# Altium PCB Minion.PcbDoc (part 7 of 10) (continued)
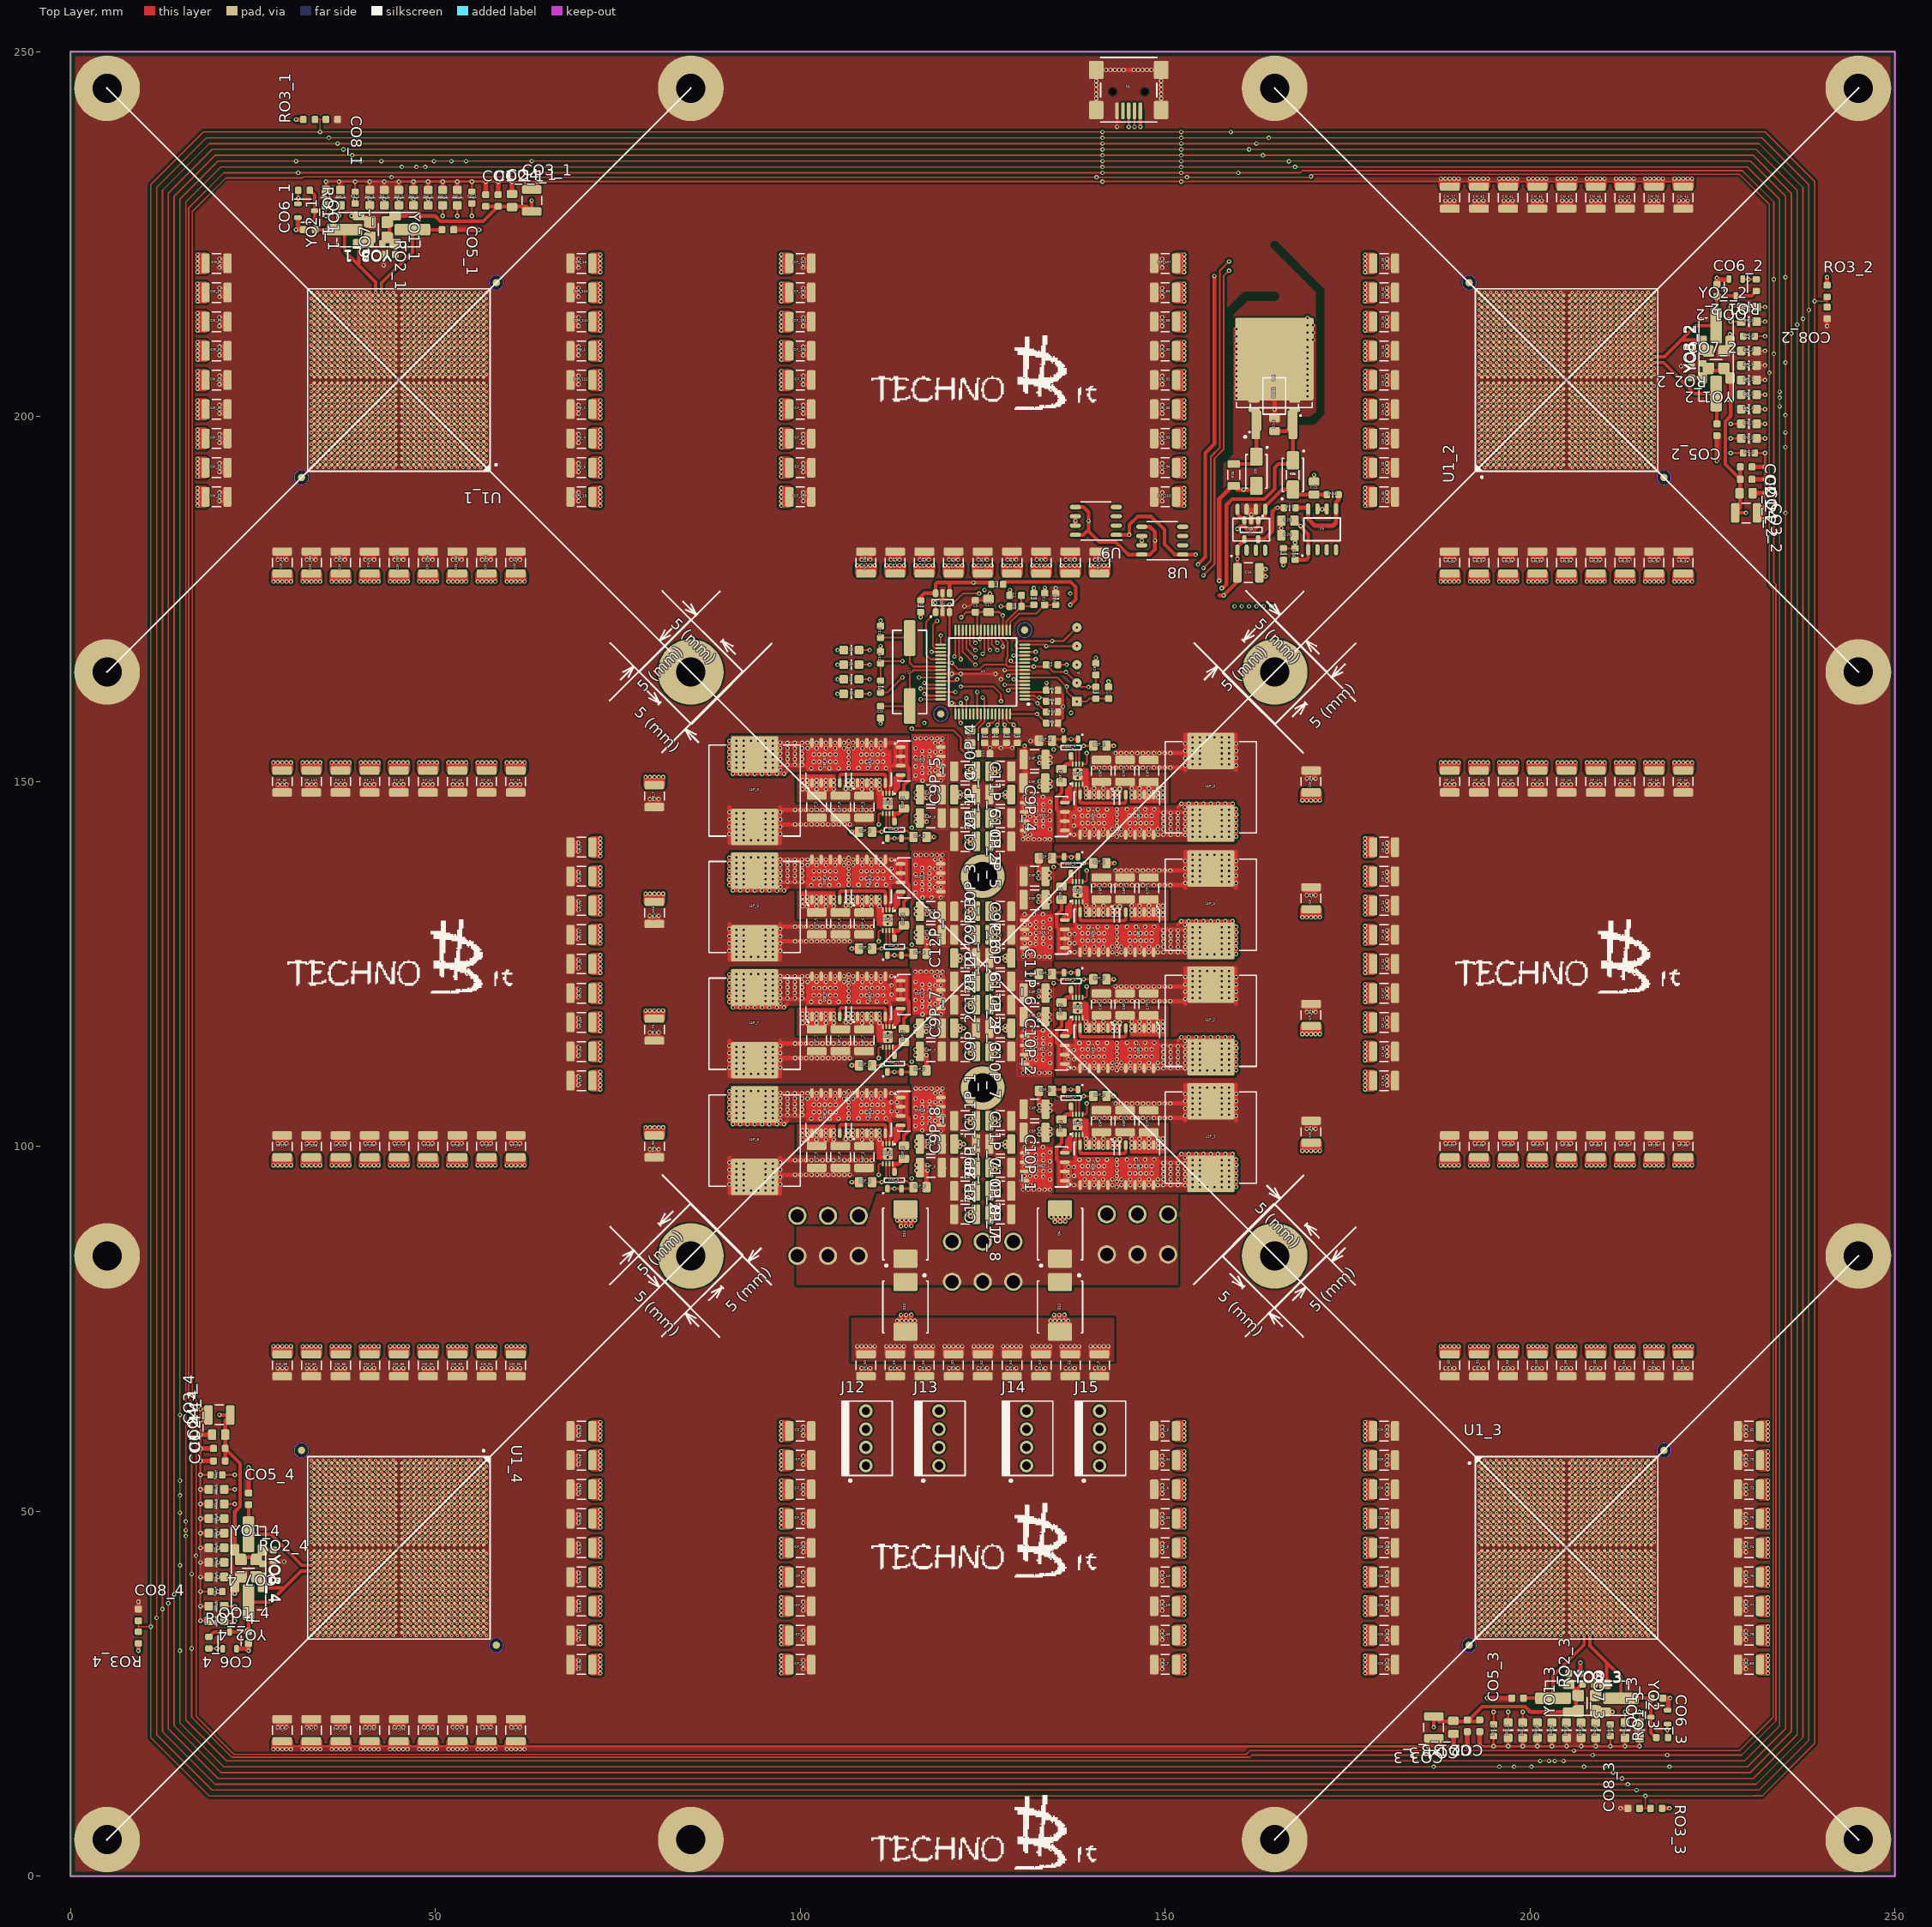
[diagram p0: Top Layer view]
## Nets (pads, with @x,y where several pads share a name; then routed paths per layer and width w, separated by ;. In a path a pad name is that pad's centre, name@x,y a point inside that pad or via, vN(x,y) a via of type N, cw(c..) or ccw(c..) an arc to the next point about the centre after c; other vN are vias at no path point) (continued)
; CF_103.2@109.6,178.5 v1(109.6,179.6) ; CF_30.2@110.2,71.5 v1(110.2,72.6) ; CF_103.2@110.2,178.5 v1(110.2,179.6) ; v1@110.843,101.345 110.85,101.338 v1@110.85,101.175 ; v1@110.843,117.345 110.85,117.338 v1@110.85,117.175 ; v1@110.843,133.345 110.85,133.338 v1@110.85,133.175 ; v1@110.843,149.345 110.85,149.338 v1@110.85,149.175 ; CF_59.2@111.8,71.5 v1(111.8,72.6) ; CF_87.2@111.8,178.5 v1(111.8,179.6) ; CF_59.2@112.4,71.5 v1(112.4,72.6) ; CF_87.2@112.4,178.5 v1(112.4,179.6) ; CF_59.2@113,71.5 v1(113,72.6) ; CF_87.2@113,178.5 v1(113,179.6) ; D10.2@113.3,75 v1(113.3,76.1) ; v1(113.3,89.9) D11.2@113.3,91 ; CF_59.2@113.6,71.5 v1(113.6,72.6) ; CF_87.2@113.6,178.5 v1(113.6,179.6) ; v1@113.8,76.1 v1(113.8,76.9) ; v1(113.8,89.075) v1@113.8,89.875 ; D10.2@113.9,75 v1(113.9,76.1) ; v1(113.9,89.9) D11.2@113.9,91 ; CF_59.2@114.2,71.5 v1(114.2,72.6) ; CF_87.2@114.2,178.5 v1(114.2,179.6) ; D10.2@114.5,75 v1(114.5,76.1) v1(114.5,76.9) ; v1(114.5,89.1) v1(114.5,89.9) D11.2@114.5,91 ; D10.2@115.1,75 v1(115.1,76.1) ; v1(115.1,89.9) D11.2@115.1,91 ; v1@115.2,76.125 v1(115.2,76.925) ; v1(115.2,89.1) v1@115.2,89.9 ; D10.2@115.7,75 v1(115.7,76.1) ; v1(115.7,89.9) D11.2@115.7,91 ; v1(115.775,112.5) v1(117.275,112.5) 117.3,112.475 C1P_7.1@117.3,110.4 ; v1(115.775,113.25) v1(117.275,113.25) ; v1(115.775,115.75) v1(117.275,115.75) ; v1(115.775,116.5) v1(117.275,116.5) ; CF_60.2@115.8,71.5 v1(115.8,72.6) ; CF_86.2@115.8,178.5 v1(115.8,179.6) ; v1(115.825,144.5) v1(117.325,144.5) ; v1(115.825,145.25) v1(117.325,145.25) ; v1(115.825,147.75) v1(117.325,147.75) ; v1(115.825,148.5) v1(117.325,148.5) ; v1(115.85,128.6) v1(117.35,128.6) 117.3,128.55 C1P_6.1@117.3,126.4 ; v1(115.85,129.35) v1(117.35,129.35) ; v1(115.85,131.85) v1(117.35,131.85) ; v1(115.85,132.6) v1(117.35,132.6) ; v1(115.925,96.7) v1(117.425,96.7) 117.3,96.575 C1P_8.1@117.3,94.4 ; v1(115.925,97.45) v1(117.425,97.45) ; v1(115.925,99.95) v1(117.425,99.95) ; v1(115.925,100.7) v1(117.425,100.7) ; CF_60.2@116.4,71.5 v1(116.4,72.6) ; CF_86.2@116.4,178.5 v1(116.4,179.6) ; CF_60.2@117,71.5 v1(117,72.6) ; CF_86.2@117,178.5 v1(117,179.6) ; C1P_5.1@117.325,142.4 v1(118.325,142.4) ; CF_60.2@117.6,71.5 v1(117.6,72.6) ; CF_86.2@117.6,178.5 v1(117.6,179.6) ; CF_60.2@118.2,71.5 v1(118.2,72.6) ; CF_86.2@118.2,178.5 v1(118.2,179.6) ; CF_61.2@119.8,71.5 v1(119.8,72.6) ; CF_85.2@119.8,178.5 v1(119.8,179.6) ; CF_61.2@120.4,71.5 v1(120.4,72.6) ; CF_85.2@120.4,178.5 v1(120.4,179.6) ; CF_61.2@121,71.5 v1(121,72.6) ; CF_85.2@121,178.5 v1(121,179.6) ; C9P_8.2@121.1,100.3 v1(122.4,100.3) ; C9P_8.2@121.1,101 121.5,100.6 v1(121.9,100.6) ; C9P_7.2@121.1,116.2 v1(122.4,116.2) ; C9P_7.2@121.1,116.9 121.5,116.5 v1(121.9,116.5) ; C12P_6.2@121.1,125.8 v1(122.4,125.8) ; C12P_6.2@121.1,126.5 121.5,126.1 v1(121.9,126.1) ; C9P_5.2@121.1,148.2 121.4,147.9 v1(121.9,147.9) ; C9P_5.2@121.1,148.9 121.5,148.5 v1(121.9,148.5) ; C9P_8.2@121.125,99.6 121.525,100 v1(121.9,100) ; C9P_7.2@121.125,115.5 121.525,115.9 v1(121.9,115.9) ; C12P_6.2@121.125,125.1 121.525,125.5 v1(121.9,125.5) ; C9P_5.2@121.125,147.5 121.825,148.2 v1(122.4,148.2) ; CF_61.2@121.6,71.5 v1(121.6,72.6) ; CF_85.2@121.6,178.5 v1(121.6,179.6) ; CF_61.2@122.2,71.5 v1(122.2,72.6) ; CF_85.2@122.2,178.5 v1(122.2,179.6) ; v1(122.8,90.701) C11P_8.2@124.1,90.701 ; v1(122.8,93.9) C12P_7.2@124.1,93.9 ; v1(122.8,97.1) C10P_8.2@124.1,97.1 ; v1(122.8,103.5) C11P_7.2@124.1,103.501 ; v1(122.8,113) C10P_7.2@124.1,113 ; v1(122.8,119.4) C12P_3.2@124.1,119.399 ; v1(122.8,122.6) 124.099,122.6 C11P_3.2@124.1,122.601 ; v1(122.8,129) C10P_6.2@124.1,129 ; v1(122.8,132.2) C9P_6.2@124.1,132.2 ; v1(122.8,141.8) 123.9,141.8 124,141.9 C12P_5.2@124.1,141.8 ; v1(122.8,145) C10P_5.2@124.1,145 ; v1(122.8,151.4) C11P_5.2@124.1,151.4 ; v1(123.3,90.401) 123.7,90.401 C11P_8.2@124.1,90.001 ; v1(123.3,91.001) C11P_8.2@123.675,91.001 ; v1(123.3,93.6) 123.7,93.6 C12P_7.2@124.1,93.2 ; v1(123.3,94.2) 123.675,94.2 C12P_7.2@124.075,94.6 ; v1(123.3,96.8) 123.701,96.8 C10P_8.2@124.1,96.401 ; v1(123.3,97.4) 123.674,97.4 C10P_8.2@124.075,97.801 ; v1(123.3,103.2) 123.7,103.2 C11P_7.2@124.1,102.8 ; v1(123.3,103.8) 123.675,103.8 C11P_7.2@124.075,104.2 ; v1(123.3,112.7) 123.7,112.7 C10P_7.2@124.1,112.3 ; v1(123.3,113.3) 123.675,113.3 C10P_7.2@124.075,113.7 ; v1(123.3,119.1) 123.699,119.1 C12P_3.2@124.1,118.699 ; v1(123.3,119.7) 123.676,119.7 C12P_3.2@124.075,120.099 ; v1(123.3,122.3) 123.701,122.3 C11P_3.2@124.1,121.901 ; v1(123.3,122.9) 123.674,122.9 C11P_3.2@124.075,123.301 ; v1(123.3,128.7) 123.7,128.7 C10P_6.2@124.1,128.3 ; v1(123.3,129.3) 123.675,129.3 C10P_6.2@124.075,129.7 ; v1(123.3,131.9) 123.7,131.9 C9P_6.2@124.1,131.5 ; v1(123.3,132.5) 123.675,132.5 C9P_6.2@124.075,132.9 ; v1(123.3,141.5) 123.7,141.5 C12P_5.2@124.1,141.1 ; v1(123.3,142.1) 123.675,142.1 C12P_5.2@124.075,142.5 ; v1(123.3,144.7) 123.7,144.7 C10P_5.2@124.1,144.3 ; v1(123.3,145.3) 123.675,145.3 C10P_5.2@124.075,145.7 ; v1(123.3,151.1) 123.7,151.1 C11P_5.2@124.1,150.7 ; v1(123.3,151.7) 123.675,151.7 C11P_5.2@124.075,152.1 ; CF_62.2@123.8,71.5 v1(123.8,72.6) ; CF_84.2@123.8,178.5 v1(123.8,179.6) ; CF_62.2@124.4,71.5 v1(124.4,72.6) ; CF_84.2@124.4,178.5 v1(124.4,179.6) ; CF_62.2@125,71.5 v1(125,72.6) ; CF_84.2@125,178.5 v1(125,179.6) ; CF_62.2@125.6,71.5 v1(125.6,72.6) ; CF_84.2@125.6,178.5 v1(125.6,179.6) ; C12P_8.2@125.9,90.7 125.901,90.701 v1(127.2,90.701) ; C12P_1.2@125.9,93.899 C12P_1.2@125.9,93.899 v1(127.2,93.9) ; C12P_1.2@125.9,94.599 126.299,94.2 v1(126.7,94.2) ; C9P_1.2@125.9,97.801 126.301,97.4 v1(126.7,97.4) ; C11P_1.2@125.9,103.5 v1(127.2,103.5) ; C11P_1.2@125.9,104.2 126.3,103.8 v1(126.7,103.8) ; C9P_2.2@125.9,113 v1(127.2,113) ; C9P_2.2@125.9,113.7 126.3,113.3 v1(126.7,113.3) ; C12P_2.2@125.9,120.099 126.299,119.7 v1(126.7,119.7) ; C11P_2.2@125.9,122.6 v1(127.2,122.6) ; C11P_2.2@125.9,123.3 126.3,122.9 v1(126.7,122.9) ; C9P_3.2@125.9,129 v1(127.2,129) ; C9P_3.2@125.9,129.7 126.3,129.3 v1(126.7,129.3) ; C10P_3.2@125.9,132.2 v1(127.2,132.2) ; C10P_3.2@125.9,132.9 126.3,132.5 v1(126.7,132.5) ; C12P_4.2@125.9,141.8 v1(127.2,141.8) ; C12P_4.2@125.9,142.5 126.3,142.1 v1(126.7,142.1) ; C11P_4.2@125.9,145 v1(127.2,145) ; C11P_4.2@125.9,145.7 126.3,145.3 v1(126.7,145.3) ; C10P_4.2@125.9,151.4 v1(127.2,151.4) ; C10P_4.2@125.9,152.1 126.3,151.7 v1(126.7,151.7) ; C9P_1.2@125.9,97.1 v1(127.2,97.1) ; C12P_2.2@125.9,119.399 v1(127.2,119.4) ; C12P_8.2@125.925,90 126.326,90.401 v1(126.7,90.401) ; C12P_1.2@125.925,93.199 126.326,93.6 v1(126.7,93.6) ; C9P_1.2@125.925,96.401 126.324,96.8 v1(126.7,96.8) ; C11P_1.2@125.925,102.8 126.325,103.2 v1(126.7,103.2) ; C9P_2.2@125.925,112.3 126.325,112.7 v1(126.7,112.7) ; C12P_2.2@125.925,118.699 126.326,119.1 v1(126.7,119.1) ; C11P_2.2@125.925,121.9 126.325,122.3 v1(126.7,122.3) ; C9P_3.2@125.925,128.3 126.325,128.7 v1(126.7,128.7) ; C10P_3.2@125.925,131.5 126.325,131.9 v1(126.7,131.9) ; C12P_4.2@125.925,141.1 126.325,141.5 v1(126.7,141.5) ; C11P_4.2@125.925,144.3 126.325,144.7 v1(126.7,144.7) ; C10P_4.2@125.925,150.7 126.325,151.1 v1(126.7,151.1) ; CF_62.2@126.2,71.5 v1(126.2,72.6) ; CF_84.2@126.2,178.5 v1(126.2,179.6) ; C12P_8.2@126.299,91.001 v1(126.7,91.001) ; v1(127.6,100.3) C10P_1.2@128.9,100.3 ; v1(127.6,116.2) C10P_2.2@128.9,116.2 ; v1(127.6,125.8) C11P_6.2@128.9,125.8 ; v1(127.6,148.2) C9P_4.2@128.9,148.2 ; CF_63.2@127.8,71.5 v1(127.8,72.6) ; CF_83.2@127.8,178.5 v1(127.8,179.6) ; v1(128.1,100) 128.5,100 C10P_1.2@128.9,99.6 ; v1(128.1,100.6) 128.475,100.6 C10P_1.2@128.875,101 ; v1(128.1,115.9) 128.5,115.9 C10P_2.2@128.9,115.5 ; v1(128.1,116.5) 128.475,116.5 C10P_2.2@128.875,116.9 ; v1(128.1,125.5) 128.5,125.5 C11P_6.2@128.9,125.1 ; v1(128.1,126.1) 128.475,126.1 C11P_6.2@128.875,126.5 ; v1(128.1,147.9) 128.5,147.9 C9P_4.2@128.9,147.5 ; v1(128.1,148.5) 128.475,148.5 C9P_4.2@128.875,148.9 ; CF_63.2@128.4,71.5 v1(128.4,72.6) ; CF_83.2@128.4,178.5 v1(128.4,179.6) ; CF_63.2@129,71.5 v1(129,72.6) ; CF_83.2@129,178.5 v1(129,179.6) ; CF_63.2@129.6,71.5 v1(129.6,72.6) ; CF_83.2@129.6,178.5 v1(129.6,179.6) ; CF_63.2@130.2,71.5 v1(130.2,72.6) ; CF_83.2@130.2,178.5 v1(130.2,179.6) ; v1(131.55,155.55) C1P_4.1@132.55,155.55 ; v1(131.6,123.6) C1P_2.1@132.6,123.6 ; CF_64.2@131.8,71.5 v1(131.8,72.6) ; CF_82.2@131.8,178.5 v1(131.8,179.6) ; CF_64.2@132.4,71.5 v1(132.4,72.6) ; CF_82.2@132.4,178.5 v1(132.4,179.6) ; v1(132.65,133.5) v1(134.15,133.5) ; v1(132.65,134.25) v1(134.15,134.25) ; v1(132.65,136.75) v1(134.15,136.75) ; v1(132.675,117.3) v1(134.175,117.3) ; v1(132.675,118.05) v1(134.175,118.05) ; v1(132.675,120.55) v1(134.175,120.55) ; v1(132.675,121.3) C5P_2.2@134.175,121.3 ; C1P_1.1@132.7,107.6 132.7,105.725 v1(132.775,105.65) v1(134.275,105.65) ; C1P_3.1@132.7,139.5 132.7,137.55 v1(132.65,137.5) v1(134.15,137.5) ; v1(132.775,101.65) v1(134.275,101.65) ; v1(132.775,102.4) v1(134.275,102.4) ; v1(132.775,104.9) v1(134.275,104.9) ; v1(132.775,149.3) v1(134.275,149.3) ; v1(132.775,150.05) v1(134.275,150.05) ; v1(132.775,152.55) v1(134.275,152.55) ; v1(132.775,153.3) v1(134.275,153.3) ; CF_64.2@133,71.5 v1(133,72.6) ; CF_82.2@133,178.5 v1(133,179.6) ; CF_64.2@133.6,71.5 v1(133.6,72.6) ; CF_82.2@133.6,178.5 v1(133.6,179.6) ; CF_64.2@134.2,71.5 v1(134.2,72.6) ; CF_82.2@134.2,178.5 v1(134.2,179.6) ; D12.2@134.3,75 v1(134.3,76.1) ; v1(134.4,90.3) D6.2@134.4,91.4 ; v1@134.8,76.1 v1(134.8,76.9) ; D12.2@134.9,75 v1(134.9,76.1) ; v1(134.9,89.675) D6.2@134.9,90.475 ; v1(135,90.3) D6.2@135,91.4 ; D12.2@135.5,75 v1(135.5,76.1) v1(135.5,76.9) ; v1(135.6,89.7) D6.2@135.6,90.5 ; v1(135.6,90.3) D6.2@135.6,91.4 ; CF_66.2@135.8,71.5 v1(135.8,72.6) ; CF_81.2@135.8,178.5 v1(135.8,179.6) ; D12.2@136.1,75 v1(136.1,76.1) ; v1@136.2,76.125 v1(136.2,76.925) ; v1(136.2,90.3) D6.2@136.2,91.4 ; v1(136.3,89.7) D6.2@136.3,90.5 ; CF_66.2@136.4,71.5 v1(136.4,72.6) ; CF_81.2@136.4,178.5 v1(136.4,179.6) ; D12.2@136.7,75 v1(136.7,76.1) ; v1(136.8,90.3) D6.2@136.8,91.4 ; CF_66.2@137,71.5 v1(137,72.6) ; CF_81.2@137,178.5 v1(137,179.6) ; CF_66.2@137.6,71.5 v1(137.6,72.6) ; CF_81.2@137.6,178.5 v1(137.6,179.6) ; U9.7@137.7,185.065 U9.6@137.7,186.335 ; CF_66.2@138.2,71.5 v1(138.2,72.6) ; CF_81.2@138.2,178.5 v1(138.2,179.6) ; v1@139.15,100.825 139.15,100.662 v1@139.157,100.655 ; v1@139.15,116.825 139.15,116.662 v1@139.157,116.655 ; v1@139.15,132.725 139.15,132.562 v1@139.157,132.555 ; v1@139.15,148.825 139.15,148.662 v1@139.157,148.655 ; v1@139.157,99.95 143.75,99.95 ; v1@139.157,100.855 v1@143.75,100.855 ; v1@139.157,115.95 143.75,115.95 ; v1@139.157,116.855 v1@143.75,116.855 ; v1@139.157,131.85 143.75,131.85 ; v1@139.157,132.755 v1@143.75,132.755 ; v1@139.157,147.95 143.75,147.95 ; v1@139.157,148.855 v1@143.75,148.855 ; CF_5.2@139.8,71.5 v1(139.8,72.6) ; CF_105.2@139.8,178.5 v1(139.8,179.6) ; CF_5.2@140.4,71.5 v1(140.4,72.6) ; CF_105.2@140.4,178.5 v1(140.4,179.6) ; J2.6@140.55,242 J2.7@140.55,247.5 J2.8@149.45,247.5 J2.9@149.45,242 ; CF_5.2@141,71.5 v1(141,72.6) ; CF_105.2@141,178.5 v1(141,179.6) ; CF_5.2@141.6,71.5 v1(141.6,72.6) ; CF_105.2@141.6,178.5 v1(141.6,179.6) ; C2P_1.2@141.95,106.9 v1(142.95,106.9) ; C2P_2.2@141.95,122.9 v1(142.95,122.9) ; C2P_4.2@141.95,154.9 v1(142.95,154.9) ; C2P_3.2@142.05,138.8 v1(143.05,138.8) ; CF_5.2@142.2,71.5 v1(142.2,72.6) ; CF_105.2@142.2,178.5 v1(142.2,179.6) ; v1@145.395,101.025 145.395,100.862 145.402,100.855 v1@149.75,100.855 ; v1@145.395,117.025 145.395,116.862 145.402,116.855 v1@149.75,116.855 ; v1@145.395,132.925 145.395,132.762 145.402,132.755 v1@149.75,132.755 ; v1@145.395,149.025 145.395,148.862 145.402,148.855 v1@149.75,148.855 ; v1@145.402,99.95 v1@149.5,99.95 ; v1@145.402,115.95 v1@149.5,115.95 ; v1@145.402,131.85 v1@149.5,131.85 ; v1@145.402,147.95 v1@149.5,147.95 ; 145.5,99.35 149.75,99.35 ; 145.5,100.15 149.75,100.15 ; v1@145.5,101.15 v1@149.675,101.15 ; 145.5,115.35 149.75,115.35 ; 145.5,116.15 149.75,116.15 ; v1@145.5,117.15 v1@149.675,117.15 ; 145.5,131.25 149.75,131.25 ; 145.5,132.05 149.75,132.05 ; v1@145.5,133.05 v1@149.675,133.05 ; 145.5,147.35 149.75,147.35 ; 145.5,148.15 149.75,148.15 ; v1@145.5,149.15 v1@149.675,149.15 ; U8.7@146.8,182.365 U8.6@146.8,183.635 ; CF_7.2@151.5,27.8 v1(152.6,27.8) ; CF_7.2@151.5,28.4 v1(152.6,28.4) ; CF_7.2@151.5,29 v1(152.6,29) ; CF_7.2@151.5,29.6 v1(152.6,29.6) ; CF_7.2@151.5,30.2 v1(152.6,30.2) ; CF_43.2@151.5,31.8 v1(152.6,31.8) ; CF_43.2@151.5,32.4 v1(152.6,32.4) ; CF_43.2@151.5,33 v1(152.6,33) ; CF_43.2@151.5,33.6 v1(152.6,33.6) ; CF_43.2@151.5,34.2 v1(152.6,34.2) ; CF_19.2@151.5,35.8 v1(152.6,35.8) ; CF_19.2@151.5,36.4 v1(152.6,36.4) ; CF_19.2@151.5,37 v1(152.6,37) ; CF_19.2@151.5,37.6 v1(152.6,37.6) ; CF_19.2@151.5,38.2 v1(152.6,38.2) ; CF_10.2@151.5,39.8 v1(152.6,39.8) ; CF_10.2@151.5,40.4 v1(152.6,40.4) ; CF_10.2@151.5,41 v1(152.6,41) ; CF_10.2@151.5,41.6 v1(152.6,41.6) ; CF_10.2@151.5,42.2 v1(152.6,42.2) ; CF_9.2@151.5,43.8 v1(152.6,43.8) ; CF_9.2@151.5,44.4 v1(152.6,44.4) ; CF_9.2@151.5,45 v1(152.6,45) ; CF_9.2@151.5,45.6 v1(152.6,45.6) ; CF_9.2@151.5,46.2 v1(152.6,46.2) ; CF_33.2@151.5,47.8 v1(152.6,47.8) ; CF_33.2@151.5,48.4 v1(152.6,48.4) ; CF_33.2@151.5,49 v1(152.6,49) ; CF_33.2@151.5,49.6 v1(152.6,49.6) ; CF_33.2@151.5,50.2 v1(152.6,50.2) ; CF_8.2@151.5,51.8 v1(152.6,51.8) ; CF_8.2@151.5,52.4 v1(152.6,52.4) ; CF_8.2@151.5,53 v1(152.6,53) ; CF_8.2@151.5,53.6 v1(152.6,53.6) ; CF_8.2@151.5,54.2 v1(152.6,54.2) ; CF_34.2@151.5,55.8 v1(152.6,55.8) ; CF_34.2@151.5,56.4 v1(152.6,56.4) ; CF_34.2@151.5,57 v1(152.6,57) ; CF_34.2@151.5,57.6 v1(152.6,57.6) ; CF_34.2@151.5,58.2 v1(152.6,58.2) ; CF_6.2@151.5,59.8 v1(152.6,59.8) ; CF_6.2@151.5,60.4 v1(152.6,60.4) ; CF_6.2@151.5,61 v1(152.6,61) ; CF_6.2@151.5,61.6 v1(152.6,61.6) ; CF_6.2@151.5,62.2 v1(152.6,62.2) ; CF_110.2@151.5,187.8 v1(152.6,187.8) ; CF_110.2@151.5,188.4 v1(152.6,188.4) ; CF_110.2@151.5,189 v1(152.6,189) ; CF_110.2@151.5,189.6 v1(152.6,189.6) ; CF_110.2@151.5,190.2 v1(152.6,190.2) ; CF_94.2@151.5,191.8 v1(152.6,191.8) ; CF_94.2@151.5,192.4 v1(152.6,192.4) ; CF_94.2@151.5,193 v1(152.6,193) ; CF_94.2@151.5,193.6 v1(152.6,193.6) ; CF_94.2@151.5,194.2 v1(152.6,194.2) ; CF_93.2@151.5,195.8 v1(152.6,195.8) ; CF_93.2@151.5,196.4 v1(152.6,196.4) ; CF_93.2@151.5,197 v1(152.6,197) ; CF_93.2@151.5,197.6 v1(152.6,197.6) ; CF_93.2@151.5,198.2 v1(152.6,198.2) ; CF_92.2@151.5,199.8 v1(152.6,199.8) ; CF_92.2@151.5,200.4 v1(152.6,200.4) ; CF_92.2@151.5,201 v1(152.6,201) ; CF_92.2@151.5,201.6 v1(152.6,201.6) ; CF_92.2@151.5,202.2 v1(152.6,202.2) ; CF_91.2@151.5,203.8 v1(152.6,203.8) ; CF_91.2@151.5,204.4 v1(152.6,204.4) ; CF_91.2@151.5,205 v1(152.6,205) ; CF_91.2@151.5,205.6 v1(152.6,205.6) ; CF_91.2@151.5,206.2 v1(152.6,206.2) ; CF_90.2@151.5,207.8 v1(152.6,207.8) ; CF_90.2@151.5,208.4 v1(152.6,208.4) ; CF_90.2@151.5,209 v1(152.6,209) ; CF_90.2@151.5,209.6 v1(152.6,209.6) ; CF_90.2@151.5,210.2 v1(152.6,210.2) ; CF_88.2@151.5,211.8 v1(152.6,211.8) ; CF_88.2@151.5,212.4 v1(152.6,212.4) ; CF_88.2@151.5,213 v1(152.6,213) ; CF_88.2@151.5,213.6 v1(152.6,213.6) ; CF_88.2@151.5,214.2 v1(152.6,214.2) ; CF_89.2@151.5,215.8 v1(152.6,215.8) ; CF_89.2@151.5,216.4 v1(152.6,216.4) ; CF_89.2@151.5,217 v1(152.6,217) ; CF_89.2@151.5,217.6 v1(152.6,217.6) ; CF_89.2@151.5,218.2 v1(152.6,218.2) ; CF_107.2@151.5,219.8 v1(152.6,219.8) ; CF_107.2@151.5,220.4 v1(152.6,220.4) ; CF_107.2@151.5,221 v1(152.6,221) ; CF_107.2@151.5,221.6 v1(152.6,221.6) ; CF_107.2@151.5,222.2 v1(152.6,222.2) ; v1(159.76,202.5) v1(159.76,203.25) v1(159.76,204) v1(159.76,204.75) v1(159.76,205.5) v1(159.76,206.25) v1(159.76,207) v1(159.76,207.75) v1(159.76,208.5) v1(159.76,209.25) ; U7.7@161.17,187.2 161.805,187.2 ; U4.2@161.25,213 U4.2@165,213 ; U3.2@161.805,185.7 161.805,187.2 ; U7.6@162.44,187.2 161.805,187.2 ; v1(163.75,178.1) 163.4,178.1 C16.2@162.9,178.6 163.4,179.1 v1(163.75,179.1) ; U5.2@164.96,205.925 165,205.886 v1(165,201) C14.2@165,199.8 ; U4.2@164.96,207.875 165,207.915 U4.2@165,213 ; C26.2@165.675,183.725 C26.2@165.912,183.725 ; v1(166.2,179.65) R31.1@166.2,180.35 ; v1(168.8,99.4) CM_58.2@168.8,100.5 ; v1(168.8,115.4) CF_51.2@168.8,116.5 ; v1(168.8,131.4) CF_29.2@168.8,132.5 ; v1(168.8,147.4) CM_38.2@168.8,148.5 ; v1(169.4,99.4) CM_58.2@169.4,100.5 ; v1(169.4,115.4) CF_51.2@169.4,116.5 ; v1(169.4,131.4) CF_29.2@169.4,132.5 ; v1(169.4,147.4) CM_38.2@169.4,148.5 ; v1(169.5,202.75) v1(169.5,203.5) v1(169.5,204.25) v1(169.5,205) v1(169.5,205.75) v1(169.5,206.5) v1(169.5,207.25) v1(169.5,208) v1(169.5,208.75) v1(169.5,209.5) ; v1(169.5,210.5) v1(169.5,211.5) 168,213 U4.2@165,213 ; v1(170,99.4) CM_58.2@170,100.5 ; v1(170,115.4) CF_51.2@170,116.5 ; v1(170,131.4) CF_29.2@170,132.5 ; v1(170,147.4) CM_38.2@170,148.5 ; v1(170.6,99.4) CM_58.2@170.6,100.5 ; v1(170.6,115.4) CF_51.2@170.6,116.5 ; v1(170.6,131.4) CF_29.2@170.6,132.5 ; v1(170.6,147.4) CM_38.2@170.6,148.5 ; U6.7@170.865,187.35 U6.6@172.135,187.35 ; v1(171.2,99.4) CM_58.2@171.2,100.5 ; v1(171.2,115.4) CF_51.2@171.2,116.5 ; v1(171.2,131.4) CF_29.2@171.2,132.5 ; v1(171.2,147.4) CM_38.2@171.2,148.5 ; v1(177.4,27.8) CM_64.2@178.5,27.8 ; v1(177.4,28.4) CM_64.2@178.5,28.4 ; v1(177.4,29) CM_64.2@178.5,29 ; v1(177.4,29.6) CM_64.2@178.5,29.6 ; v1(177.4,30.2) CM_64.2@178.5,30.2 ; v1(177.4,31.8) CM_65.2@178.5,31.8 ; v1(177.4,32.4) CM_65.2@178.5,32.4 ; v1(177.4,33) CM_65.2@178.5,33 ; v1(177.4,33.6) CM_65.2@178.5,33.6 ; v1(177.4,34.2) CM_65.2@178.5,34.2 ; v1(177.4,35.8) CM_66.2@178.5,35.8 ; v1(177.4,36.4) CM_66.2@178.5,36.4 ; v1(177.4,37) CM_66.2@178.5,37 ; v1(177.4,37.6) CM_66.2@178.5,37.6 ; v1(177.4,38.2) CM_66.2@178.5,38.2 ; v1(177.4,39.8) CM_67.2@178.5,39.8 ; v1(177.4,40.4) CM_67.2@178.5,40.4 ; v1(177.4,41) CM_67.2@178.5,41 ; v1(177.4,41.6) CM_67.2@178.5,41.6 ; v1(177.4,42.2) CM_67.2@178.5,42.2 ; v1(177.4,43.8) CM_68.2@178.5,43.8 ; v1(177.4,44.4) CM_68.2@178.5,44.4 ; v1(177.4,45) CM_68.2@178.5,45 ; v1(177.4,45.6) CM_68.2@178.5,45.6 ; v1(177.4,46.2) CM_68.2@178.5,46.2 ; v1(177.4,47.8) CM_69.2@178.5,47.8 ; v1(177.4,48.4) CM_69.2@178.5,48.4 ; v1(177.4,49) CM_69.2@178.5,49 ; v1(177.4,49.6) CM_69.2@178.5,49.6 ; v1(177.4,50.2) CM_69.2@178.5,50.2 ; v1(177.4,51.8) CM_70.2@178.5,51.8 ; v1(177.4,52.4) CM_70.2@178.5,52.4 ; v1(177.4,53) CM_70.2@178.5,53 ; v1(177.4,53.6) CM_70.2@178.5,53.6 ; v1(177.4,54.2) CM_70.2@178.5,54.2 ; v1(177.4,55.8) CM_71.2@178.5,55.8 ; v1(177.4,56.4) CM_71.2@178.5,56.4 ; v1(177.4,57) CM_71.2@178.5,57 ; v1(177.4,57.6) CM_71.2@178.5,57.6 ; v1(177.4,58.2) CM_71.2@178.5,58.2 ; v1(177.4,59.8) CM_61.2@178.5,59.8 ; v1(177.4,60.4) CM_61.2@178.5,60.4 ; v1(177.4,61) CM_61.2@178.5,61 ; v1(177.4,61.6) CM_61.2@178.5,61.6 ; v1(177.4,62.2) CM_61.2@178.5,62.2 ; v1(177.4,107.8) CF_56.2@178.5,107.8 ; v1(177.4,108.4) CF_56.2@178.5,108.4 ; v1(177.4,109) CF_56.2@178.5,109 ; v1(177.4,109.6) CF_56.2@178.5,109.6 ; v1(177.4,110.2) CF_56.2@178.5,110.2 ; v1(177.4,111.8) CF_36.2@178.5,111.8 ; v1(177.4,112.4) CF_36.2@178.5,112.4 ; v1(177.4,113) CF_36.2@178.5,113 ; v1(177.4,113.6) CF_36.2@178.5,113.6 ; v1(177.4,114.2) CF_36.2@178.5,114.2 ; v1(177.4,115.8) CF_12.2@178.5,115.8 ; v1(177.4,116.4) CF_12.2@178.5,116.4 ; v1(177.4,117) CF_12.2@178.5,117 ; v1(177.4,117.6) CF_12.2@178.5,117.6 ; v1(177.4,118.2) CF_12.2@178.5,118.2 ; v1(177.4,119.8) CF_37.2@178.5,119.8 ; v1(177.4,120.4) CF_37.2@178.5,120.4 ; v1(177.4,121) CF_37.2@178.5,121 ; v1(177.4,121.6) CF_37.2@178.5,121.6 ; v1(177.4,122.2) CF_37.2@178.5,122.2 ; v1(177.4,123.8) CF_13.2@178.5,123.8 ; v1(177.4,124.4) CF_13.2@178.5,124.4 ; v1(177.4,125) CF_13.2@178.5,125 ; v1(177.4,125.6) CF_13.2@178.5,125.6 ; v1(177.4,126.2) CF_13.2@178.5,126.2 ; v1(177.4,127.8) CF_38.2@178.5,127.8 ; v1(177.4,128.4) CF_38.2@178.5,128.4 ; v1(177.4,129) CF_38.2@178.5,129 ; v1(177.4,129.6) CF_38.2@178.5,129.6 ; v1(177.4,130.2) CF_38.2@178.5,130.2 ; v1(177.4,131.8) CF_14.2@178.5,131.8 ; v1(177.4,132.4) CF_14.2@178.5,132.4 ; v1(177.4,133) CF_14.2@178.5,133 ; v1(177.4,133.6) CF_14.2@178.5,133.6 ; v1(177.4,134.2) CF_14.2@178.5,134.2 ; v1(177.4,135.8) CF_15.2@178.5,135.8 ; v1(177.4,136.4) CF_15.2@178.5,136.4 ; v1(177.4,137) CF_15.2@178.5,137 ; v1(177.4,137.6) CF_15.2@178.5,137.6 ; v1(177.4,138.2) CF_15.2@178.5,138.2 ; v1(177.4,139.8) CF_55.2@178.5,139.8 ; v1(177.4,140.4) CF_55.2@178.5,140.4 ; v1(177.4,141) CF_55.2@178.5,141 ; v1(177.4,141.6) CF_55.2@178.5,141.6 ; v1(177.4,142.2) CF_55.2@178.5,142.2 ; v1(177.4,187.8) CM_40.2@178.5,187.8 ; v1(177.4,188.4) CM_40.2@178.5,188.4 ; v1(177.4,189) CM_40.2@178.5,189 ; v1(177.4,189.6) CM_40.2@178.5,189.6 ; v1(177.4,190.2) CM_40.2@178.5,190.2 ; v1(177.4,191.8) CM_25.2@178.5,191.8 ; v1(177.4,192.4) CM_25.2@178.5,192.4 ; v1(177.4,193) CM_25.2@178.5,193 ; v1(177.4,193.6) CM_25.2@178.5,193.6 ; v1(177.4,194.2) CM_25.2@178.5,194.2 ; v1(177.4,195.8) CM_26.2@178.5,195.8 ; v1(177.4,196.4) CM_26.2@178.5,196.4 ; v1(177.4,197) CM_26.2@178.5,197 ; v1(177.4,197.6) CM_26.2@178.5,197.6 ; v1(177.4,198.2) CM_26.2@178.5,198.2 ; v1(177.4,199.8) CM_19.2@178.5,199.8 ; v1(177.4,200.4) CM_19.2@178.5,200.4 ; v1(177.4,201) CM_19.2@178.5,201 ; v1(177.4,201.6) CM_19.2@178.5,201.6 ; v1(177.4,202.2) CM_19.2@178.5,202.2 ; v1(177.4,203.8) CM_27.2@178.5,203.8 ; v1(177.4,204.4) CM_27.2@178.5,204.4 ; v1(177.4,205) CM_27.2@178.5,205 ; v1(177.4,205.6) CM_27.2@178.5,205.6 ; v1(177.4,206.2) CM_27.2@178.5,206.2 ; v1(177.4,207.8) CM_28.2@178.5,207.8 ; v1(177.4,208.4) CM_28.2@178.5,208.4 ; v1(177.4,209) CM_28.2@178.5,209 ; v1(177.4,209.6) CM_28.2@178.5,209.6 ; v1(177.4,210.2) CM_28.2@178.5,210.2 ; v1(177.4,211.8) CM_29.2@178.5,211.8 ; v1(177.4,212.4) CM_29.2@178.5,212.4 ; v1(177.4,213) CM_29.2@178.5,213 ; v1(177.4,213.6) CM_29.2@178.5,213.6 ; v1(177.4,214.2) CM_29.2@178.5,214.2 ; v1(177.4,215.8) CM_30.2@178.5,215.8 ; v1(177.4,216.4) CM_30.2@178.5,216.4 ; v1(177.4,217) CM_30.2@178.5,217 ; v1(177.4,217.6) CM_30.2@178.5,217.6 ; v1(177.4,218.2) CM_30.2@178.5,218.2 ; v1(177.4,219.8) CM_39.2@178.5,219.8 ; v1(177.4,220.4) CM_39.2@178.5,220.4 ; v1(177.4,221) CM_39.2@178.5,221 ; v1(177.4,221.6) CM_39.2@178.5,221.6 ; v1(177.4,222.2) CM_39.2@178.5,222.2 ; v1(186,17.8) CO3_3.2@186,18.9 ; v1(187.5,17.8) CO3_3.2@187.5,18.9 ; CM_60.2@187.8,71.5 v1(187.8,72.6) ; v1(187.8,97.4) CF_57.2@187.8,98.5 ; CF_53.2@187.8,151.5 v1(187.8,152.6) ; v1(187.8,177.4) CM_42.2@187.8,178.5 ; CM_17.2@187.8,231.5 v1(187.8,232.6) ; CM_60.2@188.4,71.5 v1(188.4,72.6) ; v1(188.4,97.4) CF_57.2@188.4,98.5 ; CF_53.2@188.4,151.5 v1(188.4,152.6) ; v1(188.4,177.4) CM_42.2@188.4,178.5 ; CM_17.2@188.4,231.5 v1(188.4,232.6) ; CM_60.2@189,71.5 v1(189,72.6) ; v1(189,97.4) CF_57.2@189,98.5 ; CF_53.2@189,151.5 v1(189,152.6) ; v1(189,177.4) CM_42.2@189,178.5 ; CM_17.2@189,231.5 v1(189,232.6) ; v1(189.5,17.8) CO4_3.2@189.5,19.5 ; CM_60.2@189.6,71.5 v1(189.6,72.6) ; v1(189.6,97.4) CF_57.2@189.6,98.5 ; CF_53.2@189.6,151.5 v1(189.6,152.6) ; v1(189.6,177.4) CM_42.2@189.6,178.5 ; CM_17.2@189.6,231.5 v1(189.6,232.6) ; CM_60.2@190.2,71.5 v1(190.2,72.6) ; v1(190.2,97.4) CF_57.2@190.2,98.5 ; CF_53.2@190.2,151.5 v1(190.2,152.6) ; v1(190.2,177.4) CM_42.2@190.2,178.5 ; CM_17.2@190.2,231.5 v1(190.2,232.6) ; CO1_3.2@191.399,19.6 191.399,17.801 v1(191.4,17.8) ; CM_51.2@191.8,71.5 v1(191.8,72.6) ; v1(191.8,97.4) CF_50.2@191.8,98.5 ; CF_39.2@191.8,151.5 v1(191.8,152.6) ; v1(191.8,177.4) CM_37.2@191.8,178.5 ; CM_45.2@191.8,231.5 v1(191.8,232.6) ; CM_51.2@192.4,71.5 v1(192.4,72.6) ; v1(192.4,97.4) CF_50.2@192.4,98.5 ; CF_39.2@192.4,151.5 v1(192.4,152.6) ; v1(192.4,177.4) CM_37.2@192.4,178.5 ; CM_45.2@192.4,231.5 v1(192.4,232.6) ; CM_51.2@193,71.5 v1(193,72.6) ; v1(193,97.4) CF_50.2@193,98.5 ; CF_39.2@193,151.5 v1(193,152.6) ; v1(193,177.4) CM_37.2@193,178.5 ; CM_45.2@193,231.5 v1(193,232.6) ; v1(193.1,17.8) CO2_3.2@193.1,19.6 ; CM_51.2@193.6,71.5 v1(193.6,72.6) ; v1(193.6,97.4) CF_50.2@193.6,98.5 ; CF_39.2@193.6,151.5 v1(193.6,152.6) ; v1(193.6,177.4) CM_37.2@193.6,178.5 ; CM_45.2@193.6,231.5 v1(193.6,232.6) ; v1(194.1,24.4) CO5_3.2@197.6,24.4 ; CM_51.2@194.2,71.5 v1(194.2,72.6) ; v1(194.2,97.4) CF_50.2@194.2,98.5 ; CF_39.2@194.2,151.5 v1(194.2,152.6) ; v1(194.2,177.4) CM_37.2@194.2,178.5 ; CM_45.2@194.2,231.5 v1(194.2,232.6) ; CM_52.2@195.8,71.5 v1(195.8,72.6) ; v1(195.8,97.4) CF_49.2@195.8,98.5 ; CF_40.2@195.8,151.5 v1(195.8,152.6) ; v1(195.8,177.4) CM_36.2@195.8,178.5 ; CM_41.2@195.8,231.5 v1(195.8,232.6) ; CM_52.2@196.4,71.5 v1(196.4,72.6) ; v1(196.4,97.4) CF_49.2@196.4,98.5 ; CF_40.2@196.4,151.5 v1(196.4,152.6) ; v1(196.4,177.4) CM_36.2@196.4,178.5 ; CM_41.2@196.4,231.5 v1(196.4,232.6) ; CM_52.2@197,71.5 v1(197,72.6) ; v1(197,97.4) CF_49.2@197,98.5 ; CF_40.2@197,151.5 v1(197,152.6) ; v1(197,177.4) CM_36.2@197,178.5 ; CM_41.2@197,231.5 v1(197,232.6) ; CM_52.2@197.6,71.5 v1(197.6,72.6) ; v1(197.6,97.4) CF_49.2@197.6,98.5 ; CF_40.2@197.6,151.5 v1(197.6,152.6) ; v1(197.6,177.4) CM_36.2@197.6,178.5 ; CM_41.2@197.6,231.5 v1(197.6,232.6) ; CM_52.2@198.2,71.5 v1(198.2,72.6) ; v1(198.2,97.4) CF_49.2@198.2,98.5 ; CF_40.2@198.2,151.5 v1(198.2,152.6) ; v1(198.2,177.4) CM_36.2@198.2,178.5 ; CM_41.2@198.2,231.5 v1(198.2,232.6) ; CM_53.2@199.8,71.5 v1(199.8,72.6) ; v1(199.8,97.4) CF_47.2@199.8,98.5 ; CF_41.2@199.8,151.5 v1(199.8,152.6) ; v1(199.8,177.4) CM_35.2@199.8,178.5 ; CM_46.2@199.8,231.5 v1(199.8,232.6) ; CM_53.2@200.4,71.5 v1(200.4,72.6) ; v1(200.4,97.4) CF_47.2@200.4,98.5 ; CF_41.2@200.4,151.5 v1(200.4,152.6) ; v1(200.4,177.4) CM_35.2@200.4,178.5 ; CM_46.2@200.4,231.5 v1(200.4,232.6) ; CM_53.2@201,71.5 v1(201,72.6) ; v1(201,97.4) CF_47.2@201,98.5 ; CF_41.2@201,151.5 v1(201,152.6) ; v1(201,177.4) CM_35.2@201,178.5 ; CM_46.2@201,231.5 v1(201,232.6) ; CM_53.2@201.6,71.5 v1(201.6,72.6) ; v1(201.6,97.4) CF_47.2@201.6,98.5 ; CF_41.2@201.6,151.5 v1(201.6,152.6) ; v1(201.6,177.4) CM_35.2@201.6,178.5 ; CM_46.2@201.6,231.5 v1(201.6,232.6) ; CM_53.2@202.2,71.5 v1(202.2,72.6) ; v1(202.2,97.4) CF_47.2@202.2,98.5 ; CF_41.2@202.2,151.5 v1(202.2,152.6) ; v1(202.2,177.4) CM_35.2@202.2,178.5 ; CM_46.2@202.2,231.5 v1(202.2,232.6) ; CM_55.2@203.8,71.5 v1(203.8,72.6) ; v1(203.8,97.4) CF_46.2@203.8,98.5 ; CF_16.2@203.8,151.5 v1(203.8,152.6) ; v1(203.8,177.4) CM_34.2@203.8,178.5 ; CM_47.2@203.8,231.5 v1(203.8,232.6) ; CM_55.2@204.4,71.5 v1(204.4,72.6) ; v1(204.4,97.4) CF_46.2@204.4,98.5 ; CF_16.2@204.4,151.5 v1(204.4,152.6) ; v1(204.4,177.4) CM_34.2@204.4,178.5 ; CM_47.2@204.4,231.5 v1(204.4,232.6) ; CM_55.2@205,71.5 v1(205,72.6) ; v1(205,97.4) CF_46.2@205,98.5 ; CF_16.2@205,151.5 v1(205,152.6) ; v1(205,177.4) CM_34.2@205,178.5 ; CM_47.2@205,231.5 v1(205,232.6) ; CM_55.2@205.6,71.5 v1(205.6,72.6) ; v1(205.6,97.4) CF_46.2@205.6,98.5 ; CF_16.2@205.6,151.5 v1(205.6,152.6) ; v1(205.6,177.4) CM_34.2@205.6,178.5 ; CM_47.2@205.6,231.5 v1(205.6,232.6) ; CM_55.2@206.2,71.5 v1(206.2,72.6) ; v1(206.2,97.4) CF_46.2@206.2,98.5 ; CF_16.2@206.2,151.5 v1(206.2,152.6) ; v1(206.2,177.4) CM_34.2@206.2,178.5 ; CM_47.2@206.2,231.5 v1(206.2,232.6) ; CO7_3.2@206.9,28.275 v1(206.9,29.275) ; CM_56.2@207.8,71.5 v1(207.8,72.6) ; v1(207.8,97.4) CF_45.2@207.8,98.5 ; CF_17.2@207.8,151.5 v1(207.8,152.6) ; v1(207.8,177.4) CM_33.2@207.8,178.5 ; CM_48.2@207.8,231.5 v1(207.8,232.6) ; CM_56.2@208.4,71.5 v1(208.4,72.6) ; v1(208.4,97.4) CF_45.2@208.4,98.5 ; CF_17.2@208.4,151.5 v1(208.4,152.6) ; v1(208.4,177.4) CM_33.2@208.4,178.5 ; CM_48.2@208.4,231.5 v1(208.4,232.6) ; CM_56.2@209,71.5 v1(209,72.6) ; v1(209,97.4) CF_45.2@209,98.5 ; CF_17.2@209,151.5 v1(209,152.6) ; v1(209,177.4) CM_33.2@209,178.5 ; CM_48.2@209,231.5 v1(209,232.6) ; CM_56.2@209.6,71.5 v1(209.6,72.6) ; v1(209.6,97.4) CF_45.2@209.6,98.5 ; CF_17.2@209.6,151.5 v1(209.6,152.6) ; v1(209.6,177.4) CM_33.2@209.6,178.5 ; CM_48.2@209.6,231.5 v1(209.6,232.6) ; YO1_3.2@210.2,22.5 YO1_3.2@210.3,22.5 v1(211.3,22.5) ; CM_56.2@210.2,71.5 v1(210.2,72.6) ; v1(210.2,97.4) CF_45.2@210.2,98.5 ; CF_17.2@210.2,151.5 v1(210.2,152.6) ; v1(210.2,177.4) CM_33.2@210.2,178.5 ; CM_48.2@210.2,231.5 v1(210.2,232.6) ; CM_54.2@211.8,71.5 v1(211.8,72.6) ; v1(211.8,97.4) CF_44.2@211.8,98.5 ; CF_42.2@211.8,151.5 v1(211.8,152.6) ; v1(211.8,177.4) CM_32.2@211.8,178.5 ; CM_49.2@211.8,231.5 v1(211.8,232.6) ; v1(212.4,9.3) CO8_3.2@213.4,9.3 ; CM_54.2@212.4,71.5 v1(212.4,72.6) ; v1(212.4,97.4) CF_44.2@212.4,98.5 ; CF_42.2@212.4,151.5 v1(212.4,152.6) ; v1(212.4,177.4) CM_32.2@212.4,178.5 ; CM_49.2@212.4,231.5 v1(212.4,232.6) ; CM_54.2@213,71.5 v1(213,72.6)